# KiCad board raven.kicad_pcb (continued)
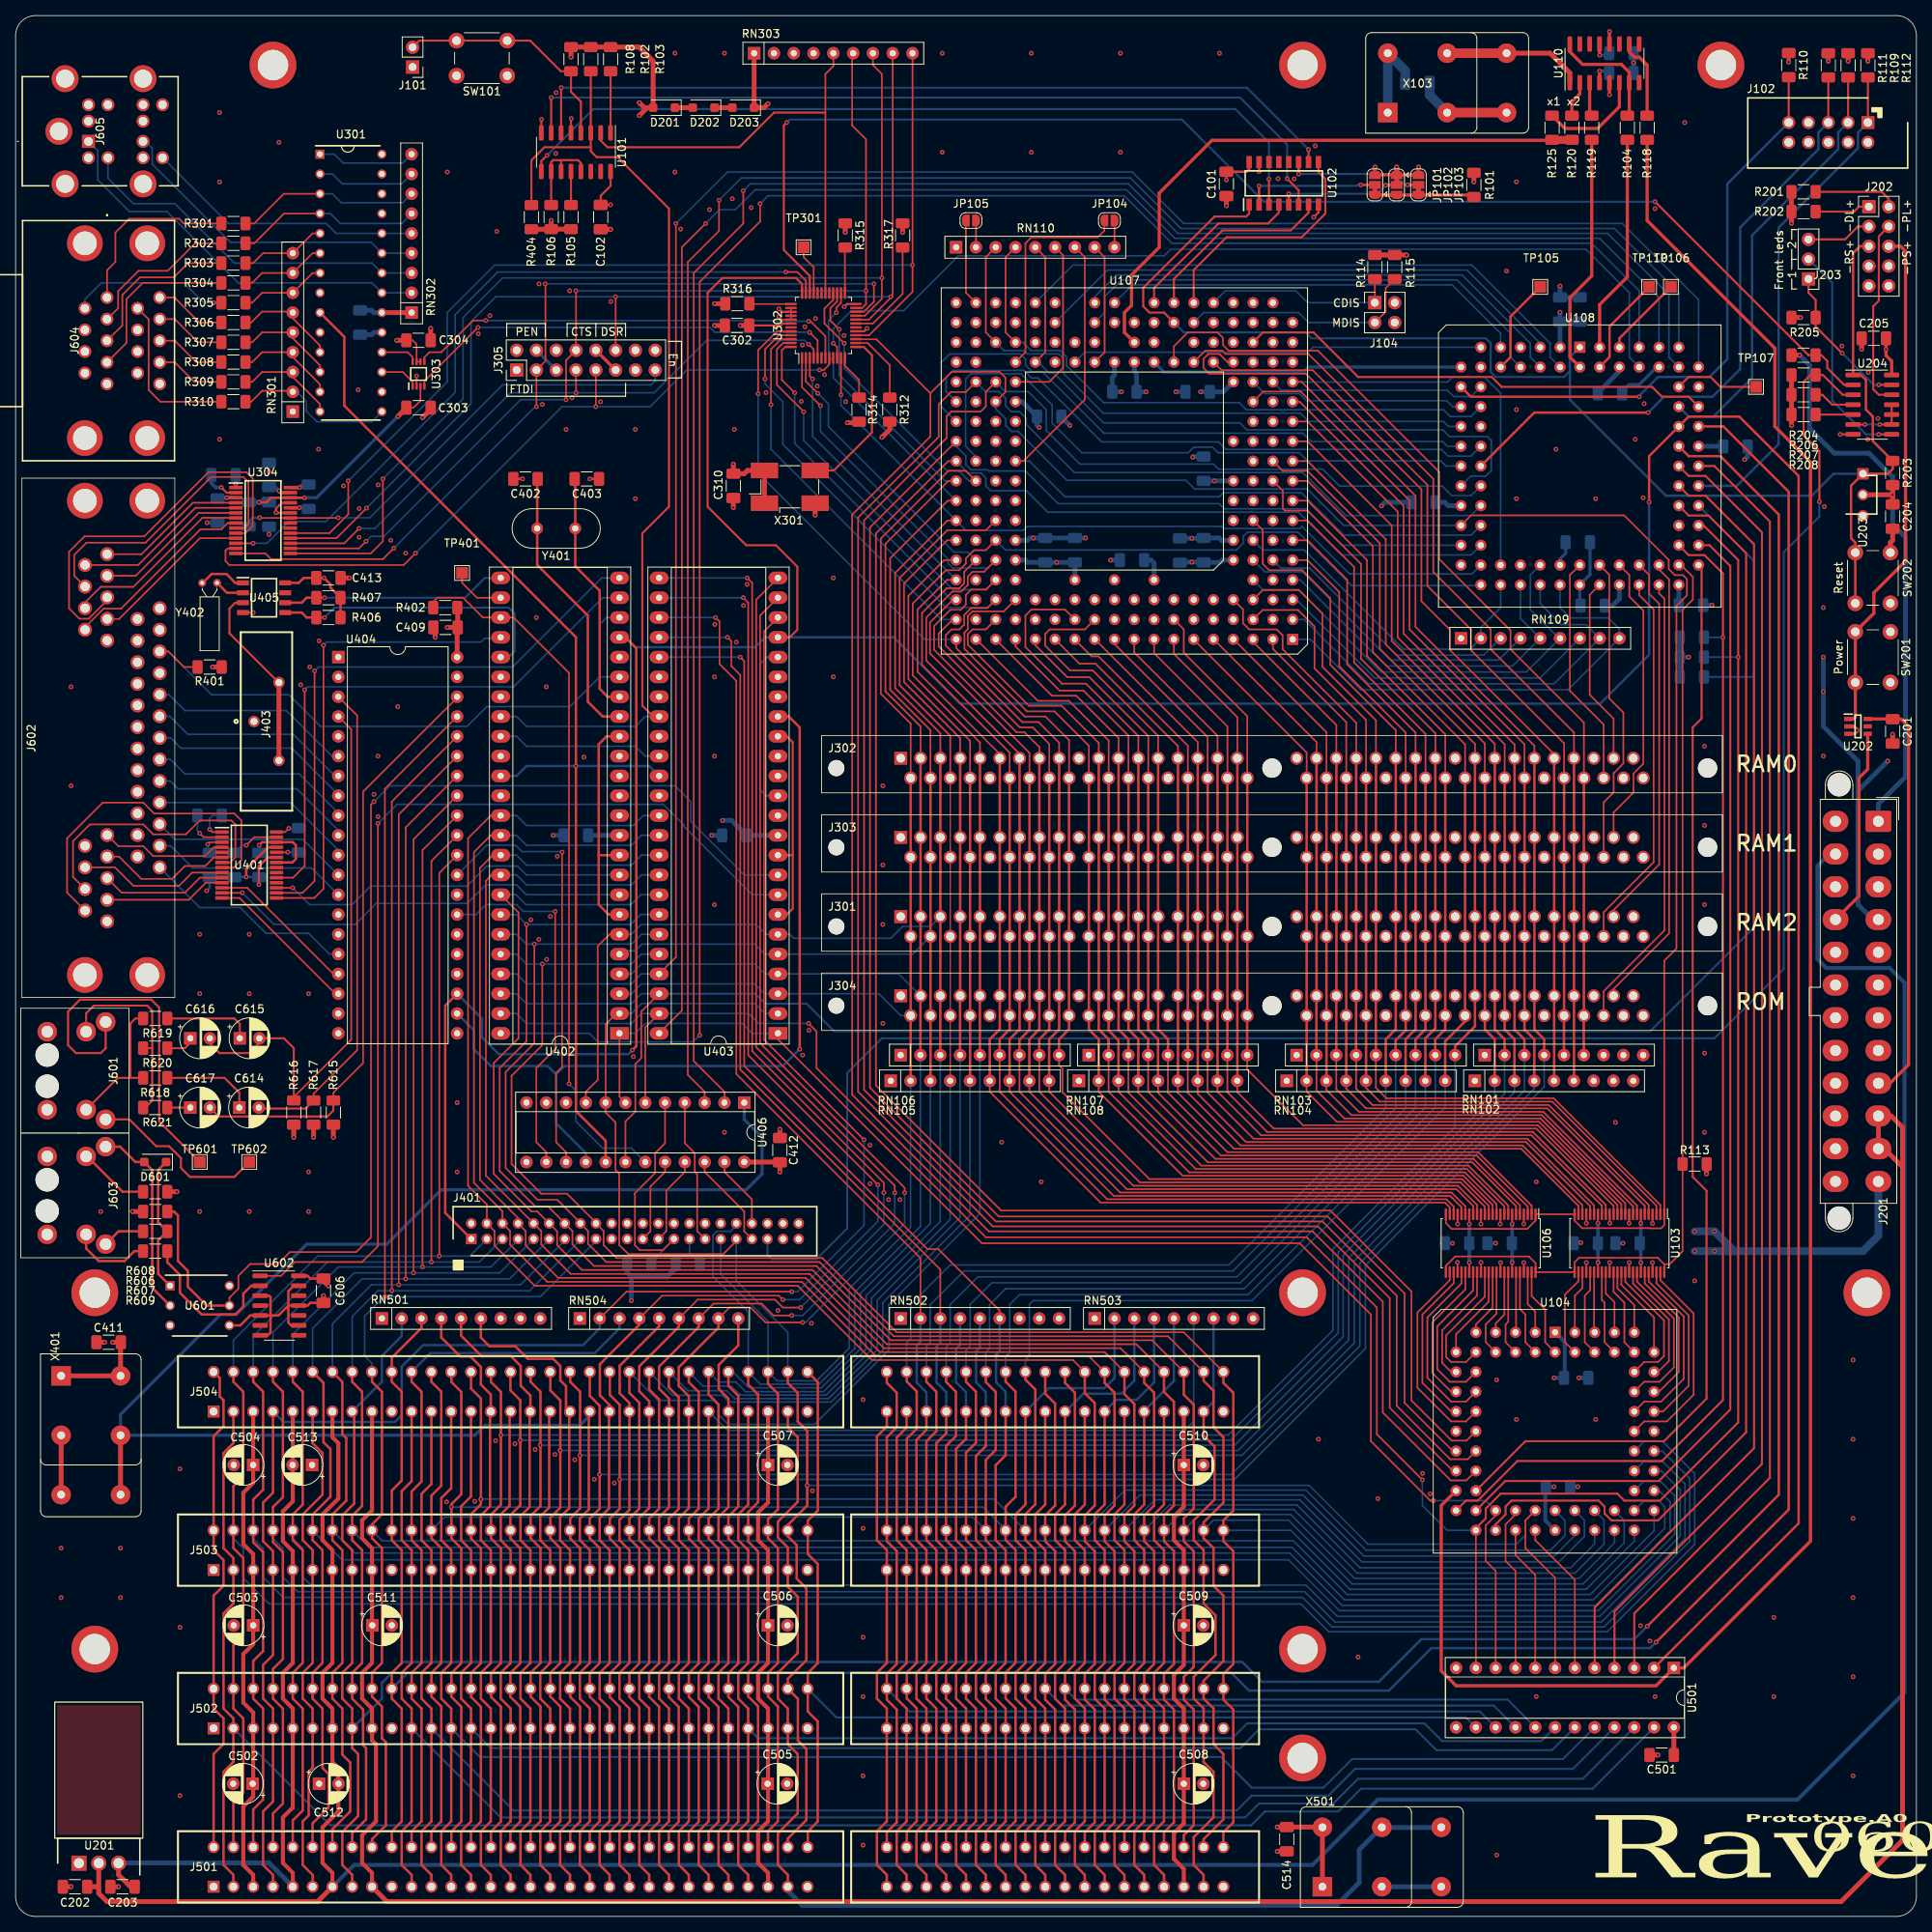
[diagram p0: board, top side]
## Routing (per net, layer and track width the routed paths; a pad name or vN(x,y) marks a point on that pad's centre or on a via; arc(x,y) is an arc through that point) (continued)
  Bottom w0.508: v1(197.36,69.09) C103.1 198.73,69.19 198.73,73.69 U104.1 ; v1(197.36,55.12) C104.1 196.24,55.05 196.24,50.77 U104.35
  Bottom w0.61: 78.99,82.04 83.57,82.04 84.68,83.16 R405.1 ; 78.99,82.04 v1(78.99,78.99) ; 78.99,82.04 78.46,82.58 R403.1 ; J201.4 238.26,127.88 236.35,129.79 236.35,144.4 ; R107.1 v1(214.63,161.54) ; R107.1 R117.1 ; R107.1 R116.1 ; U108.3 C124.2 ; C124.2 v1(198.12,205.79) ; C124.2 C128.2 ; U403.11 C410.2 91.86,140.59 v1(90.68,140.59) ; C408.2 U402.11 ; C301.2 45.68,206.03 45.97,205.74 U301.20 ; 236.35,144.4 236.35,148.21 231.9,152.65 v1(231.9,157.1) v1(231.9,161.54) ; 236.35,144.4 v1(240.16,148.21) ; 50.79,205.73 RN302.1
  vias: v1(239.94,201.04)
+5VL: length 52.4
  Top w0.203: 240.77,153.6 C201.1
  Top w0.406: U202.6 240.77,153.6 ; C201.1 241.9,153.58 242.82,152.65 242.82,109.25 240.45,106.88
+12V: length 368.3
  Top w0.508: J501.9 45.72,5.59 44.45,6.86 44.45,10.41 46.23,12.19 46.23,22.1 45.72,22.61 J502.9 45.72,26.67 44.45,27.94 44.45,31.24 45.72,32.51 J503.9 45.72,47.24 44.45,48.51 44.45,50.8 45.72,52.07 J504.9
  Top w0.61: J501.9 47.62,1.91 234.19,1.91 242.06,9.78 242.06,96.14 ; 242.06,96.14 242.06,101.22 240.6,102.68 J201.10 J201.11 239.72,98.48 242.06,96.14
-5V: length 91.9
  Top w0.508: J504.5 35.56,53.24 34.29,51.97 34.29,48.13 35.56,46.86 J503.5 35.56,32.51 34.29,31.24 34.29,27.94 35.56,26.67 J502.5 35.56,13.97 34.29,12.7 34.29,6.86 35.56,5.59 J501.5
  Top w0.61: U201.3 13.21,5.33 14.73,3.81 C203.1
  Bottom w0.61: U201.3 13.24,6.86 32.51,6.86 J501.5
-12V: length 432.4
  Top w0.508: J504.7 40.64,61.47 41.4,60.71 41.4,53.59 39.37,51.56 39.37,48.26 40.64,46.99 J503.7 40.64,32.51 39.37,31.24 39.37,27.94 40.64,26.67 J502.7 40.64,19.81 41.4,19.05 41.4,13.46 39.37,11.43 39.37,6.86 40.64,5.59 J501.7
  Top w0.61: 10.67,3.56 10.67,2.96 11.72,1.91 38.74,1.91 J501.7 ; 10.67,3.56 U201.2 ; 10.67,3.56 10.41,3.81 C202.1
  Bottom w0.508: J201.14 232.67,136.28 231.14,134.75 231.14,122.81 232.28,121.67 240.41,121.67 242.32,119.76 242.32,28.7 228.6,14.99 174.75,14.99 166.37,6.6 43.43,6.6 J501.7
GND: length 236.7
  Top w0.203: U303.2 51.44,197.61 v1(51.43,197.61) ; v1(184.96,83.9) 184.98,83.88 U106.28 ; U103.4 209.99,88.91 v1(209.98,88.9) ; v1(207.01,83.87) 206.99,83.85 U103.39 ; v1(204.52,88.92) 204.49,88.95 U103.15 ; v1(190.5,83.87) 190.48,83.85 U106.39 ; v1(187.99,83.9) 187.98,83.89 U106.34 ; v1(206.98,88.92) 206.99,88.93 U103.10 ; U103.34 204.49,83.87 v1(204.5,83.87) ; U103.28 201.49,83.86 v1(201.5,83.87) ; U106.45 193.48,83.86 v1(193.47,83.87) ; U103.21 201.49,88.93 v1(201.5,88.93) ; U302.38 U302.39 U302.40 U302.41 98.31,204.84 v1(97.92,205.23) ; U103.45 209.99,83.86 v1(209.98,83.87) ; v1(193.48,88.84) U106.4 ; v1(190.45,88.82) 190.48,88.85 U106.10 ; U106.21 184.98,88.83 v1(184.99,88.82) ; v1(187.98,88.82) U106.15
  Top w0.254: U302.24 106.64,206.84 v1(106.3,206.5) ; U102.15 v1(159.51,223.82) ; 235.72,190.12 v1(234.06,190.12) ; v1(97.92,206.21) 98.29,205.84 U302.39 ; U101.5 71.25,230.61 v1(71.27,230.63) ; U405.4 v1(30.48,167.26) ; U302.17 108.85,203.34 v1(109.22,203.71) ; v1(67.46,230.53) 67.44,230.51 U101.8 ; v1(166.52,217.98) 167.13,218.59 U102.8 ; v1(33.4,180.09) 33.4,180.6 34.14,181.35 U304.25 35.25,181.35
  Top w0.305: 36.32,75.82 35.35,75.82 34.99,76.17 34.99,78.36 ; 34.99,78.36 33.72,77.09 32.7,77.09 ; 34.99,78.36 34.99,80.2 35.69,80.9 U602.13 ; 34.99,78.36 U602.11 37.46,78.36 37.81,78.7 C606.2 ; U401.23 32.33,135.85 31.2,134.72 v1(31.2,132.37) ; v1(204.47,241.81) 204.46,241.8 ; v1(33.4,180.09) 33.44,180.05 35.25,180.05 ; 27.43,75.82 28.83,75.82 30.1,77.09 U602.5 32.7,77.09 ; C402.1 v1(65.02,184.4) ; 32.7,77.09 32.7,79.44 32.51,79.63 U602.3 ; 32.7,77.09 32.7,74.9 32.35,74.55 U602.7 ; v1(29.59,133.35) 29.59,134.37 32.37,137.15 U401.25 ; v1(204.47,233.68) 204.46,233.69 ; C403.1 v1(73.66,184.4)
  Top w0.406: v1(179.98,224.43) 179.96,224.41 JP103.3 JP102.3 JP101.3 174.37,224.41 v1(174.4,224.43) ; 204.46,241.8 U110.12 ; U202.3 235.91,151.7 236.22,152.02 v1(236.22,152.15) 236.22,152.27 235.84,152.65 U202.2 ; 204.46,233.69 U110.5
  Top w0.61: X401.4 X401.4 ; v1(236.82,201.04) C205.2 ; v1(39.5,79.63) C606.2 ; C302.2 v1(89.66,204.09) ; C101.2 v1(155.32,219.46) ; C303.1 53.25,193.33 v1(52.2,192.28) ; v1(53.85,164.08) 53.81,164.12 53.81,165.35 ; R615.2 v1(40.77,99.95) ; C201.2 v1(240.79,151.64) ; SW202.2 240.5,176.24 240.79,176.53 C204.2 ; v1(102.56,179.76) X301.2 ; C203.2 v1(13.21,3.81) ; v1(161.85,8.33) 161.86,8.34 C514.1 ; C501.2 v1(210.69,20.7) ; C310.2 v1(92.07,180.72) ; v1(76.33,216.41) 76.3,216.43 C102.2 ; v1(11.43,73.66) C411.1 ; C413.1 v1(42.82,171.7) ; C412.2 v1(98.04,100.97) ; C202.2 v1(7.11,3.81) ; R617.2 v1(38.23,99.95) ; R317.1 v1(113.79,216.03) ; R616.2 v1(35.69,99.95) ; v1(106.71,191.62) 108.2,191.62 ; v1(53.25,203.71) C304.2 ; JP102.3 v1(177.16,224.41)
  Top w1.219: X103.4 X103.4
  Bottom w0.203: 31.2,133.35 C401.2 ; 28.11,133.35 C405.2
  Bottom w0.305: 207.05,238.51 C118.1 207.56,238.72 ; v1(24.51,131.57) 24.89,131.95 C407.2 ; v1(31.2,132.37) 31.2,133.35 v1(29.59,133.35) 28.11,133.35
  Bottom w0.406: C129.1 198.84,174.87 198.12,174.14 U108.42
  Bottom w0.457: v1(32.51,177.29) C305.2 ; 199.86,86.44 v1(200.79,86.44) ; 183.36,86.36 v1(184.33,86.36) ; v1(24.56,178.79) 24.57,178.78 C309.2 ; 205.28,86.36 v1(206.2,86.36) ; 188.94,86.36 v1(189.86,86.36) ; C307.2 v1(32.51,185.32)
  Bottom w0.61: C301.1 45.68,202.91 45.97,203.2 U301.19 ; C408.1 v1(68.96,138.68) ; v1(198.12,209.14) C124.1 C128.1 ; v1(135.25,191.26) 134.15,192.37 C112.1 ; v1(137.25,176.82) C109.1 C113.1 v1(130.56,176.82) 130.09,176.82 129.79,176.53 U107.F15 ; U108.82 205.74,198.22 202.97,195.45 C126.1 ; 207.56,238.72 v1(207.56,237.79) C121.1 ; C122.1 175.67,181.41 v1(175.21,180.95) ; C115.1 v1(140.46,173.99) ; C125.1 204.85,168.15 205.74,169.04 U108.47 ; C407.2 C405.2 ; C116.1 v1(150.88,176.78) 152.36,176.78 C111.1 154.39,176.82 154.69,176.53 U107.F04 ; v1(145.03,195.58) C114.1 143.8,197.95 143.51,198.25 U107.Q09 ; C119.1 151.08,187.28 v1(151,187.2) ; C410.1 v1(89.28,138.68) ; C104.2 v1(200.41,55.12) ; C120.1 v1(217.63,168.2) ; X501.4 X501.4 ; C123.1 222.19,187.29 v1(221.79,186.89) ; C110.1 v1(148.84,195.58) ; C103.2 v1(200.53,69.09)
  Bottom w1.219: C117.1 181.39,233.64 X103.4
  vias: v1(5.84,47.24) v1(5.84,40.89) v1(7.11,157.73) v1(7.11,145.03) v1(10.92,90.42) v1(13.46,47.24) v1(13.46,40.89) v1(21.08,57.4) v1(21.08,37.08) v1(21.08,15.49) v1(23.62,125.98) v1(23.62,118.36) v1(23.62,90.42) v1(26.16,231.39) v1(26.16,222.5) v1(26.16,189.48) v1(29.97,125.98) v1(29.97,118.36) v1(29.97,90.42) v1(33.78,227.58) v1(36.58,157.99) v1(37.59,118.36) v1(37.59,95.5) v1(37.59,90.42) v1(37.74,160.28) v1(38.86,188.21) v1(38.93,163.64) v1(42.07,183.52) v1(43.94,195.83) v1(44.07,180.59) v1(44.07,176.91) v1(45.97,143.94) v1(46.48,148.84) v1(46.5,141.08) v1(46.51,183.64) v1(48.13,176.53) v1(49.02,155.19) v1(50.04,174.88) v1(55.29,53.18) v1(55.37,223.77) v1(56.64,104.39) v1(56.64,95.5) v1(58.91,53.25) v1(59.36,203.03) v1(60.84,205.34) v1(61.57,61.02) v1(61.72,216.15) v1(64.06,60.63) v1(66.1,127.85) v1(66.65,59.89) v1(66.8,166.62) v1(67.14,209.42) v1(67.13,125.33) v1(67.57,193.96) v1(68.07,157.73) v1(68.13,122.77) v1(68.61,128.27) v1(69.19,59.26) v1(69.35,233.95) v1(69.3,226.15) v1(69.49,136) v1(70.61,190.75) v1(71.08,208.53) v1(71.37,194.82) v1(71.73,58.58) v1(72.9,148.72) v1(74.25,56.08) v1(75.04,194.3) v1(76.35,207.17) v1(76.8,55.6) v1(79.25,110.3) v1(79.5,190.75) v1(79.5,181.86) v1(84.58,239.01) v1(84.58,223.77) v1(85.31,216.45) v1(89.03,218.95) v1(89.69,165.74) v1(89.66,159) v1(89.66,148.84) v1(89.66,129.79) v1(90.93,239.01) v1(90.93,100.58) v1(91.95,220.35) v1(92.2,190.75) v1(92.46,163.47) v1(93.38,168.17) v1(93.84,170.86) v1(94.36,219.2) v1(96.27,195.48) v1(97.79,77.72) v1(100.79,194.36) v1(100.93,201.58) v1(100.97,110.49) v1(101.24,203.93) v1(101.76,113.66) v1(102.09,76.09) v1(102.23,54.6) v1(102.62,204.98) v1(102.84,196.31) v1(103.77,197.78) v1(104.9,171.7) v1(104.9,159) v1(106.27,202.79) v1(106.49,194.31) v1(108.71,66.29) v1(108.71,49.78) v1(108.71,35.81) v1(108.71,28.19) v1(108.71,18.03) v1(108.71,9.14) v1(109.6,98.93) v1(109.62,94) v1(111.25,145.03) v1(111.25,134.87) v1(111.25,127.25) v1(111.25,114.55) v1(111.98,91.95) v1(113.44,91.95) v1(118.87,239.01) v1(118.87,226.31) v1(126.49,99.31) v1(130.3,239.01) v1(130.3,226.31) v1(131.57,94.23) v1(141.73,239.01) v1(141.73,226.31) v1(154.43,239.01) v1(161.95,222.91) v1(164.02,222.9) v1(166.73,227.13) v1(167.13,61.21) v1(172.21,33.27) v1(174.75,53.59) v1(180.49,56.84) v1(181.47,54.21) v1(189.99,68.83) v1(189.99,7.87) v1(191.26,211.07) v1(192.53,222.5) v1(192.53,193.29) v1(192.53,181.86) v1(192.53,63.75) v1(195.07,94.23) v1(195.07,28.19) v1(197.61,188.21) v1(202.69,181.86) v1(202.69,63.75) v1(205.23,101.85) v1(207.77,189.48) v1(208.45,37.29) v1(208.79,181.99) v1(208.91,194.06) v1(209.65,35.33) v1(210.31,219.07) v1(210.31,28.19) v1(214.12,230.12) v1(215.39,81.53) v1(216.66,150.11) v1(216.66,139.95) v1(216.66,129.79) v1(216.66,110.74) v1(216.66,100.58) v1(225.55,38.35) v1(225.55,28.19) v1(231.9,167.89) v1(231.9,148.84) v1(232.03,180.85) v1(234.28,201.46) v1(235.71,71.37) v1(235.71,61.21) v1(235.71,51.05) v1(235.71,40.89) v1(235.71,30.73) v1(235.71,18.03) v1(237.6,189.49) v1(237.67,198.06) v1(238.91,192.16)
68150:CLK: length 268.2
  Top w0.406: U104.24 182.88,52.71 182.88,31.5 184.78,29.59 210.44,29.59 U501.1 214,31.88 230.25,48.13 230.25,186.56 225.68,191.14 225.68,201.17 209.3,217.55 209.3,227.9
68150:LR~{W}: length 18.7
  Top w0.203: U501.8 194.94,43.82 192.41,46.36 U104.31
68150:R~{W}: length 179.2
  Top w0.203: U403.1 97.79,112.52 123.95,86.36 164.72,86.36 173.86,77.22 173.86,60.96 181.48,53.34 v1(181.86,53.34) ; U104.30 189.86,51.44 188.59,50.17 188.59,45.59 189.86,44.32 U501.10 ; U406.7 77.47,105.16 U402.1
  Bottom w0.203: U104.30 188.59,53.34 v1(181.86,53.34) ; U402.1 79.5,113.28 80.77,114.55 93.22,114.55 94.49,113.28 U403.1
68150:UR~{W}: length 21.8
  Top w0.203: 191.9,52.07 U104.32 192.41,51.56 191.13,50.29 191.13,45.59 192.41,44.32 U501.9
68150:~{CS}: length 142.8
  Top w0.254: U104.25 193.67,60.96 211.45,60.96 216.92,66.42 216.92,93.09 215.14,94.87 215.14,152.53 216.28,153.67 216.28,172.97 U108.54
68150:~{DSACK0}: length 151.4
  Top w0.254: U104.28 191.11,55.85 210.79,55.85 219.96,65.02 219.96,173.23 217.3,175.9 215.9,175.9
68150:~{DSACK1}: length 164.9
  Top w0.254: U104.29 189.86,50.29 191.13,51.56 191.13,52.58 191.9,53.34 203.07,53.34 203.83,52.58 203.83,51.69 204.72,50.8 210.69,50.8 222,62.1 222,174.88 217.17,179.71 214.63,179.71 U108.61
68150:~{DS}: length 360.6
  Top w0.203: U406.6 80.77,114.04 U403.47 ; U104.27 U501.11 ; v1(180.47,56.01) 174.62,61.85 174.62,78.11 165.61,87.12 124.46,87.12 102.74,108.84 102.74,113.54 v1(101.73,114.55)
  Top w0.254: U108.58 216.53,178.44 220.98,173.99 220.98,63.37 210.95,53.34 206.38,53.34 205.49,54.23 190.5,54.23 188.59,52.32 188.59,51.05 187.32,49.78 U104.27
  Bottom w0.203: v1(220.98,161.54) R107.2 ; v1(180.47,56.01) 180.47,52.71 183.64,49.53 U104.27 ; U402.47 64.26,115.82 65.54,114.54 78.99,114.54 80.27,115.82 U403.47 94.05,115.82 95.32,114.55 v1(101.73,114.55)
68150:~{TA}: length 155.7
  Top w0.254: 213.36,175.9 214.63,174.63 216.66,174.63 219.02,172.26 219.02,66.24 211.2,58.42 192.66,58.42 187.58,53.34 186.05,53.34 U104.26
  Bottom w0.203: v1(219.02,164.08) R117.2
/ICLK_X1_1: length 13.6
  Top w0.406: U110.6 205.73,232.15 202.95,229.36 198.75,229.36 R125.2
/ICLK_X1_2: length 15.4
  Top w0.406: U110.16 199.38,239.21 201.01,237.58 205.99,237.58 207,236.57 U110.7 207,231.25 R104.2
/ICLK_X1_3: length 10.5
  Top w0.406: U110.10 207,239.18 207.67,238.51 208.28,238.51 209.3,237.49 R118.2
/ICLK_X2_1: length 4.7
  Top w0.406: U110.2 200.65,233.78 199.64,232.77 R120.2
/ICLK_X2_2: length 4.3
  Top w0.406: U110.3 201.92,231.26 R119.2
/ISA/ISA:AEN: length 94.2
  Top w0.305: J501.42 50.8,10.92 52.07,12.19 52.07,26.67 50.8,27.94 J502.42 50.8,31.24 52.07,32.51 52.07,46.99 50.8,48.26 50.8,54.51 52.07,55.78 52.07,67.31 50.8,68.58 J504.42
  Bottom w0.305: 77.47,76.53 77.47,75.44 74.29,72.26 53.21,72.26 J504.42
/ISA/ISA:DACK0: length 85
  Top w0.305: J504.70 129.54,52.83 128.27,51.56 128.27,48.26 129.54,46.99 J503.70 129.54,32.51 128.27,31.24 128.27,27.94 129.54,26.67 J502.70 129.54,12.19 128.27,10.92 128.27,6.6 129.54,5.33 J501.70
  Bottom w0.305: J504.70 132.54,67.77 139.67,67.77 140.97,69.06 RN503.2
/ISA/ISA:DACK1: length 81.9
  Top w0.305: RN501.5 57.15,74.5 59.79,71.86 63.55,71.86 64.8,70.61 64.8,68.07 66.04,66.83 J504.17 65.94,64.67 65.94,52.53 64.77,51.36 64.77,48.26 66.04,46.99 J503.17 66.04,32.51 64.77,31.24 64.77,27.94 66.04,26.67 J502.17 66.04,12.19 64.77,10.92 64.77,6.6 66.04,5.33 J501.17
/ISA/ISA:DACK2: length 141
  Top w0.305: J501.26 88.9,5.33 87.63,6.6 87.63,10.92 88.9,12.19 J502.26 88.9,26.67 87.63,27.94 87.63,31.24 88.9,32.51 J503.26 88.9,46.99 87.63,48.26 87.63,51.05 88.9,52.32 J504.26
  Bottom w0.203: RN503.6 151.13,63.5 149.99,62.36 91.31,62.36 J504.26
/ISA/ISA:DACK3: length 79.4
  Top w0.305: RN501.4 54.61,74.27 57.05,71.83 58.34,71.83 59.69,70.49 59.69,68.22 60.96,66.95 J504.15 60.86,64.67 60.86,52.6 59.69,51.44 59.69,48.26 60.96,46.99 J503.15 60.96,32.51 59.69,31.24 59.69,27.94 60.96,26.67 J502.15 60.96,12.19 59.69,10.92 59.69,6.6 60.96,5.33 J501.15
/ISA/ISA:DACK5: length 82.6
  Top w0.305: J504.72 134.62,52.83 133.35,51.56 133.35,48.26 134.62,46.99 J503.72 134.62,32.51 133.35,31.24 133.35,27.94 134.62,26.67 J502.72 134.62,12.19 133.35,10.92 133.35,6.6 134.62,5.33 J501.72
  Bottom w0.305: J504.72 134.7,64.77 136.98,67.06 141.83,67.06 143.51,68.73 RN503.3
/ISA/ISA:DACK6: length 80.2
  Top w0.305: J504.74 139.7,52.83 138.43,51.56 138.43,48.26 139.7,46.99 J503.74 139.7,32.51 138.43,31.24 138.43,27.94 139.7,26.67 J502.74 139.7,12.19 138.43,10.92 138.43,6.6 139.7,5.33 J501.74
  Bottom w0.305: RN503.4 146.05,68.5 143.81,66.27 141.17,66.27 139.7,64.8 J504.74
/ISA/ISA:DACK7: length 77.6
  Top w0.305: J501.76 144.78,5.33 143.51,6.6 143.51,10.92 144.78,12.19 J502.76 144.78,26.67 143.51,27.94 143.51,31.24 144.78,32.51 J503.76 144.78,46.99 143.51,48.26 143.51,51.56 144.78,52.83 J504.76
  Bottom w0.305: J504.76 144.78,64.87 148.59,68.68 RN503.5
/ISA/ISA:DRQ0: length 64.1
  Top w0.305: J501.71 132.08,5.33 130.81,6.6 130.81,10.92 132.08,12.19 J502.71 132.08,26.67 130.81,27.94 130.81,31.24 132.08,32.51 J503.71 132.08,46.99 130.81,48.26 130.81,51.56 132.08,52.83 J504.71
/ISA/ISA:DRQ1: length 64.1
  Top w0.305: J501.18 68.58,5.33 67.31,6.6 67.31,10.92 68.58,12.19 J502.18 68.58,26.67 67.31,27.94 67.31,31.24 68.58,32.51 J503.18 68.58,46.99 67.31,48.26 67.31,51.31 68.45,52.45 68.45,64.64 J504.18
/ISA/ISA:DRQ2: length 65.2
  Top w0.305: J501.6 38.1,5.33 36.83,6.6 36.83,12.19 37.59,12.95 37.59,18.54 38.1,19.05 J502.6 38.1,26.67 36.83,27.94 36.83,31.24 38.1,32.51 J503.6 38.1,46.99 36.83,48.26 36.83,51.56 39.37,54.1 39.37,59.44 38.1,60.71 J504.6
/ISA/ISA:DRQ3: length 64.1
  Top w0.305: J504.16 63.37,64.64 63.37,52.71 62.23,51.56 62.23,48.26 63.5,46.99 J503.16 63.5,32.51 62.23,31.24 62.23,27.94 63.5,26.67 J502.16 63.5,12.19 62.23,10.92 62.23,6.6 63.5,5.33 J501.16
/ISA/ISA:DRQ5: length 64.1
  Top w0.305: J504.73 137.16,52.83 135.89,51.56 135.89,48.26 137.16,46.99 J503.73 137.16,32.51 135.89,31.24 135.89,27.94 137.16,26.67 J502.73 137.16,12.19 135.89,10.92 135.89,6.6 137.16,5.33 J501.73
/ISA/ISA:DRQ6: length 64.1
  Top w0.305: J504.75 142.24,52.83 140.97,51.56 140.97,48.26 142.24,46.99 J503.75 142.24,32.51 140.97,31.24 140.97,27.94 142.24,26.67 J502.75 142.24,12.19 140.97,10.92 140.97,6.6 142.24,5.33 J501.75
/ISA/ISA:DRQ7: length 64.1
  Top w0.305: J504.77 147.32,52.83 146.05,51.56 146.05,48.26 147.32,46.99 J503.77 147.32,32.51 146.05,31.24 146.05,27.94 147.32,26.67 J502.77 147.32,12.19 146.05,10.92 146.05,6.6 147.32,5.33 J501.77
/ISA/ISA:IOCHK: length 64.1
  Top w0.305: J504.32 26.19,69.06 26.19,66.7 26.67,66.22 26.67,62.87 25.4,61.6 25.4,46.99 26.67,45.72 26.67,42.42 25.4,41.15 J502.32 25.4,26.67 26.67,25.4 26.67,22.1 25.4,20.83 J501.32
/ISA/ISA:IOCS16: length 64.1
  Top w0.305: J501.64 114.3,5.33 113.03,6.6 113.03,10.92 114.3,12.19 J502.64 114.3,26.67 113.03,27.94 113.03,31.24 114.3,32.51 J503.64 114.3,46.99 113.03,48.26 113.03,61.42 114.3,62.69 J504.64
/ISA/ISA:IRQ6: length 78.7
  Top w0.305: J501.22 78.74,5.33 77.47,6.6 77.47,10.92 78.74,12.19 J502.22 78.74,26.67 77.47,27.94 77.47,31.24 78.74,32.51 J503.22 78.74,46.99 77.47,48.26 77.47,50.88 78.74,52.15 J504.22 78.74,65.86 77.5,67.11 77.5,70.64 82.55,75.69 RN504.5
/ISA/ISA:IRQ12: length 76.8
  Top w0.305: J501.67 121.92,5.33 120.65,6.6 120.65,10.92 121.92,12.19 J502.67 121.92,26.67 120.65,27.94 120.65,31.24 121.92,32.51 J503.67 121.92,46.99 120.65,48.26 120.65,59.99 121.92,61.26 J504.67
  Bottom w0.305: J504.67 121.92,67.25 120.65,68.52 120.65,72.8 121.16,73.3 RN502.4
/ISA/ISA:IRQ13: length 76.8
  Top w0.305: J504.68 124.46,60.33 123.19,59.06 123.19,48.26 124.46,46.99 J503.68 124.46,32.51 123.19,31.24 123.19,27.94 124.46,26.67 J502.68 124.46,12.19 123.19,10.92 123.19,6.6 124.46,5.33 J501.68
  Bottom w0.305: RN502.5 123.7,72.97 123.22,72.49 123.22,68.5 124.46,67.26 J504.68
/ISA/ISA:MASTER: length 80.1
  Top w0.305: J504.79 152.4,61.67 153.8,60.27 153.8,53.47 151.13,50.8 151.13,48.26 152.4,46.99 J503.79 152.4,40.13 153.92,38.61 153.92,33.53 151.13,30.73 151.13,27.94 152.4,26.67 J502.79 152.4,19.81 153.67,18.54 153.67,12.7 151.13,10.16 151.13,6.6 152.4,5.33 J501.79
  Bottom w0.305: J504.79 153.67,66.04 RN503.7
/ISA/ISA:MEMCS16: length 64.1
  Top w0.305: J501.63 111.76,5.33 110.49,6.6 110.49,10.92 111.76,12.19 J502.63 111.76,26.67 110.49,27.94 110.49,31.24 111.76,32.51 J503.63 111.76,46.99 110.49,48.26 110.49,61.57 111.76,62.84 J504.63
/ISA/ISA:OSC: length 159
  Top w0.305: J504.30 99.06,62.74 100.33,61.47 100.33,53.19 97.79,50.65 97.79,48.59 99.06,47.32 J503.30 99.06,42.29 100.33,41.02 100.33,33.78 97.79,31.24 97.79,27.94 99.06,26.67 J502.30 99.06,22.1 100.33,20.83 100.33,13.21 97.79,10.67 97.79,6.6 99.06,5.33 J501.30
  Bottom w0.61: 99.06,3.78 99.06,3.28 100.91,1.42 169.44,1.42 172.36,4.34 172.36,8.56 175.23,11.43 X501.5 ; 182.88,11.4 175.26,11.4
/ISA/ISA:REFRESH: length 84.6
  Top w0.305: RN501.6 59.69,74.24 60.78,73.15 64.08,73.15 65.71,71.53 68.96,71.53 69.88,70.61 69.88,68.76 70.61,68.02 70.61,65.28 J504.19 71.02,64.67 71.02,52.37 69.85,51.21 69.85,48.26 71.12,46.99 J503.19 71.12,32.51 69.85,31.24 69.85,27.94 71.12,26.67 J502.19 71.12,12.19 69.85,10.92 69.85,6.6 71.12,5.33 J501.19
/ISA/ISA:TC: length 77.6
  Top w0.305: RN504.9 92.71,73.25 90.2,70.74 90.2,67.67 91.44,66.42 J504.27 91.44,52.5 90.17,51.23 90.17,48.26 91.44,46.99 J503.27 91.44,32.51 90.17,31.24 90.17,27.94 91.44,26.67 J502.27 91.44,12.19 90.17,10.92 90.17,6.6 91.44,5.33 J501.27
/Local16/IDE:IRQ: length 18.6
  Top w0.203: 88.45,86.9 87.43,87.92 87.43,95.19 87.12,95.5 87.12,97.92 85.85,99.19 U406.4
/Local16/IDE:~{CS0}: length 12.4
  Top w0.203: 94.45,86.9 93.47,87.88 93.47,90.42 88.39,95.5 U406.22
/Local16/IDE:~{CS1}: length 9.6
  Top w0.203: U406.23 90.93,95.5 94.45,91.98 94.45,88.65 94.45,88.65
/Local16/IDE:~{RDY}: length 30.2
  Top w0.203: J401.27 83.02,85.47 80.07,85.47 79.45,86.09 79.45,92.63 79.38,92.71 82.04,95.38 82.04,97.92 83.31,99.19 U406.5
  Bottom w0.203: R403.2 81.56,83.97 84.45,86.87 J401.27 84.45,86.9
/Local16/IDE:~{RD}: length 11.3
  Top w0.203: U406.21 85.85,95.5 83.47,93.13 83.47,87.92 82.45,86.9
/Local16/IDE:~{WR}: length 11.1
  Top w0.203: 80.45,86.9 81.43,87.88 81.43,93.63 83.31,95.5 U406.20
/Local16/MFP1:CD: length 72.1
  Top w0.203: v1(37.08,157.35) 37.08,134.75 35.59,133.25 U401.19
  Bottom w0.203: v1(37.08,157.35) 37.46,157.73 63.88,157.73 75.31,169.16 U402.23
/Local16/MFP1:CTS: length 76.5
  Top w0.203: v1(38.35,159.77) 38.35,132.84 36.81,131.3 U401.16
  Bottom w0.203: U402.24 75.18,171.7 63.75,160.27 38.86,160.27 v1(38.35,159.77)
/Local16/MFP1:I4: length 7
  Top w0.203: TP401.1 57.28,171.07 59.18,169.16 U402.26
/Local16/MFP1:RI: length 60.9
  Top w0.203: v1(39.5,163.07) 39.5,131.83 38.32,130.65 U401.15
  Bottom w0.203: v1(39.5,163.07) 39.91,163.48 59.72,163.48 60.2,163.96 62.1,163.96 U402.28
/Local16/MFP1:SI: length 47.4
  Top w0.203: v1(35.56,131.95) 33.47,131.95
  Bottom w0.203: U402.9 65.53,133.6 64.39,134.75 60.45,134.75 57.87,132.17 45.55,132.17 43.18,129.79 37.71,129.79 v1(35.56,131.95)
/Local16/MFP1:SO: length 55.3
  Top w0.203: v1(29.08,131.32) 29.06,131.3 U401.13
  Bottom w0.203: v1(29.08,131.32) 33.15,127.25 43.56,127.25 46.27,129.96 57.95,129.96 60.32,132.33 64.26,132.33 65.53,131.06 U402.8
/Local16/MFP1:~{IEO}: length 21.4
  Bottom w0.203: U403.34 80.77,148.84 79.5,150.11 65.53,150.11 64.26,151.38 U402.33
/Local16/MFP2:TAO: length 21.4
  Bottom w0.254: U403.13 96.27,143.76 95.5,144.53 95.5,160.66 96.39,161.54 U403.20
/Local16/YM:BC1: length 56
  Top w0.203: v1(70.1,136.53) 70.1,108.97 69.34,108.2 69.34,99.31 70.61,98.04 U406.15
  Bottom w0.203: U404.29 60.45,137.41 64.13,137.41 64.95,136.6 70.03,136.6 v1(70.1,136.53)
/Local16/YM:BDIR: length 47.1
  Top w0.203: U406.14 68.07,98.04 66.8,99.31 66.8,108.84 69.22,111.25 v1(69.22,128.93)
  Bottom w0.203: U404.27 59.05,128.52 60.32,129.79 64.26,129.79 65.13,128.93 v1(69.22,128.93)
/Local16/YM:DTR: length 19.5
  Top w0.203: U404.17 40.77,120.9 29.72,131.95 26.47,131.95
/Local16/YM:RTS: length 20
  Top w0.203: U404.18 41.02,118.36 28.74,130.65 U401.14
/Local32/FTDI:MODE: length 3.6
  Top w0.406: J305.10 J305.11
/Local32/FTDI:VCC: length 3.6
  Bottom w0.406: J305.4 J305.5
/Local32/FTDI:~{ENABLE}: length 61.6
  Top w0.203: v1(41.38,179.43) 41.35,179.4 U304.22 31.32,179.4 v1(31.29,179.43)
  Bottom w0.203: v1(41.38,179.43) 45.44,179.43 62.48,196.47 81.53,196.47 82.06,196.99 J305.15
  Bottom w0.305: v1(31.29,179.43) 30.43,179.43 29.95,178.94 R313.1
/Local32/UART1:CDB: length 142
  Top w0.203: U304.19 40.25,177.45 42.67,179.87 v1(42.67,184.15) ; RN303.9 115.06,208.41 109.49,202.84 U302.16
  Bottom w0.203: v1(115.06,211.84) 61.47,211.84 55.37,205.74 55.37,196.85 v1(42.67,184.15)
/Local32/UART1:CTSB: length 129.5
  Top w0.203: v1(70.61,194.56) 70.61,199.62 J305.8 71.9,208.52 v1(71.88,208.53) ; U302.23 108.61,206.34 109.09,206.82 v1(109.09,208.53) 109.09,227.97 107.31,229.74 107.31,238.89 RN303.6 ; v1(44.96,176.4) 44.05,175.5 U304.16
  Bottom w0.203: v1(71.88,208.53) v1(109.09,208.53) ; v1(70.61,194.56) 64.77,194.56 47.24,177.04 45.59,177.04 v1(44.96,176.4)
/Local32/UART1:DSRB: length 140
  Top w0.203: v1(76.96,207.77) 76.98,207.76 J305.12 ; U302.20 109.46,204.84 112.27,207.65 v1(112.27,207.77) 112.52,208.03 RN303.8 ; U304.18 41.16,176.8 v1(45.02,180.66)
  Bottom w0.203: v1(45.02,180.66) 58.42,194.06 58.42,204.6 61.6,207.77 v1(112.27,207.77)
/Local32/UART1:DTRB: length 95.4
  Top w0.203: v1(30.48,176.15) 30.48,176.15 U304.12 ; U302.35 101.38,209.84 100.28,210.95 v1(98.81,210.95)
  Bottom w0.203: v1(30.48,176.15) 32.25,176.15 35.04,178.94 39.81,178.94 56.39,195.52 56.39,205.49 61.85,210.95 v1(98.81,210.95)
/Local32/UART1:RIB: length 137.5
  Top w0.203: U304.15 45.56,174.85 47.12,176.4 v1(47.12,184.4) ; RN303.7 109.98,237.49 111.12,236.35 111.12,207.52 108.95,205.34 U302.21
  Bottom w0.203: v1(111.12,210.19) 62.48,210.19 57.4,205.11 57.4,194.69 v1(47.12,184.4)
/Local32/UART1:RTSB: length 110.5
  Top w0.203: v1(48.51,175.51) 47.12,174.12 32.77,174.12 32.04,174.85 U304.14 ; v1(67.94,209.42) 67.97,209.4 67.97,199.52 J305.3 v1(66.82,193.68) ; v1(110.11,209.42) 110.11,207.14 108.81,205.84 U302.22
  Bottom w0.203: v1(66.82,193.68) 66.68,193.68 v1(48.51,175.51) ; 67.97,209.4 v1(67.94,209.42) v1(110.11,209.42)
/Local32/UART1:RXB: length 82.4
  Top w0.203: v1(101.73,201.68) 102.38,201.02 U302.4 ; U304.17 42.16,176.15 v1(44.07,178.05) ; v1(71.9,195.45) J305.7
  Bottom w0.203: v1(44.07,178.05) 46.1,178.05 63.5,195.45 v1(71.9,195.45) ; 71.88,195.44 v1(71.9,195.45) ; v1(71.9,195.45) 81.91,195.45 88.65,202.18 101.22,202.18 v1(101.73,201.68)
/Local32/UART1:TXB: length 96.7
  Top w0.203: U302.8 104.38,199.07 103.68,198.37 v1(103.12,198.37) ; v1(51.31,174.88) 49.78,173.36 27.43,173.36 26.92,173.86 26.92,175.2 27.21,175.5 U304.13 ; J305.9 74.44,193.69 v1(74.42,193.68)
  Bottom w0.203: v1(51.31,174.88) 70.1,193.68 v1(74.42,193.68) 81.41,193.68 86.11,198.37 v1(103.12,198.37)
/Local32/UART1_CLK: length 21.7
  Top w0.254: U302.13 108.79,201.34 109.85,200.28 109.85,190.37 104.97,185.49 X301.3
/Power/HDDLED+: length 7.1
  Top w0.254: J202.1 236.47,219.33 235.84,218.69 R202.2
/Power/HDDLED-: length 8.4
  Top w0.254: J202.3 236.35,216.79 234.7,215.14 J203.3
/Power/PWRLED+: length 10.8
  Top w0.254: R201.2 239.4,221.23 240.28,220.35 J202.2
/Power/PWRLED-: length 24.4
  Top w0.254: U204.12 239.01,195.2 238.3,195.91 238.3,206.55 239.01,207.26 239.01,215.52 J202.4
/Power/PWRSW+: length 65.9
  Top w0.406: U202.1 235.75,153.6 236,153.86 SW201.2 SW201.2 238.38,167.17 238.38,169.8 242.44,173.86 242.44,213.61 241.81,214.25 J202.6
A0: length 261.5
  Top w0.203: U107.L18 109.6,178.18 109.6,106.31 126.12,89.79 168.31,89.79 178.18,79.92 178.18,65.89 184.38,59.69 U104.20
  Bottom w0.203: U107.L18 120.65,188.6 121.89,187.35 121.89,186.23 122.55,185.57 124.66,185.57 124.81,185.42 129.54,185.42 133.73,181.23 154.38,181.23 155.04,180.57 165.48,180.57 170.15,175.9 185.42,175.9
